# Altium PCB EPS_V2.PcbDoc (part 1 of 4)
Units mm, origin at the board's own origin, x right, y up, seen from the top; angles counter-clockwise.
Board outline 95.89 x 90.17 mm, 6 copper layers (Top Layer, GND1, PWR, Signal, GND2, Bottom Layer), stack 1.42 mm thick; 407 components, 277 nets, 1440 pads, 305 vias.
Unrouted connection lines stored in the file: 313.
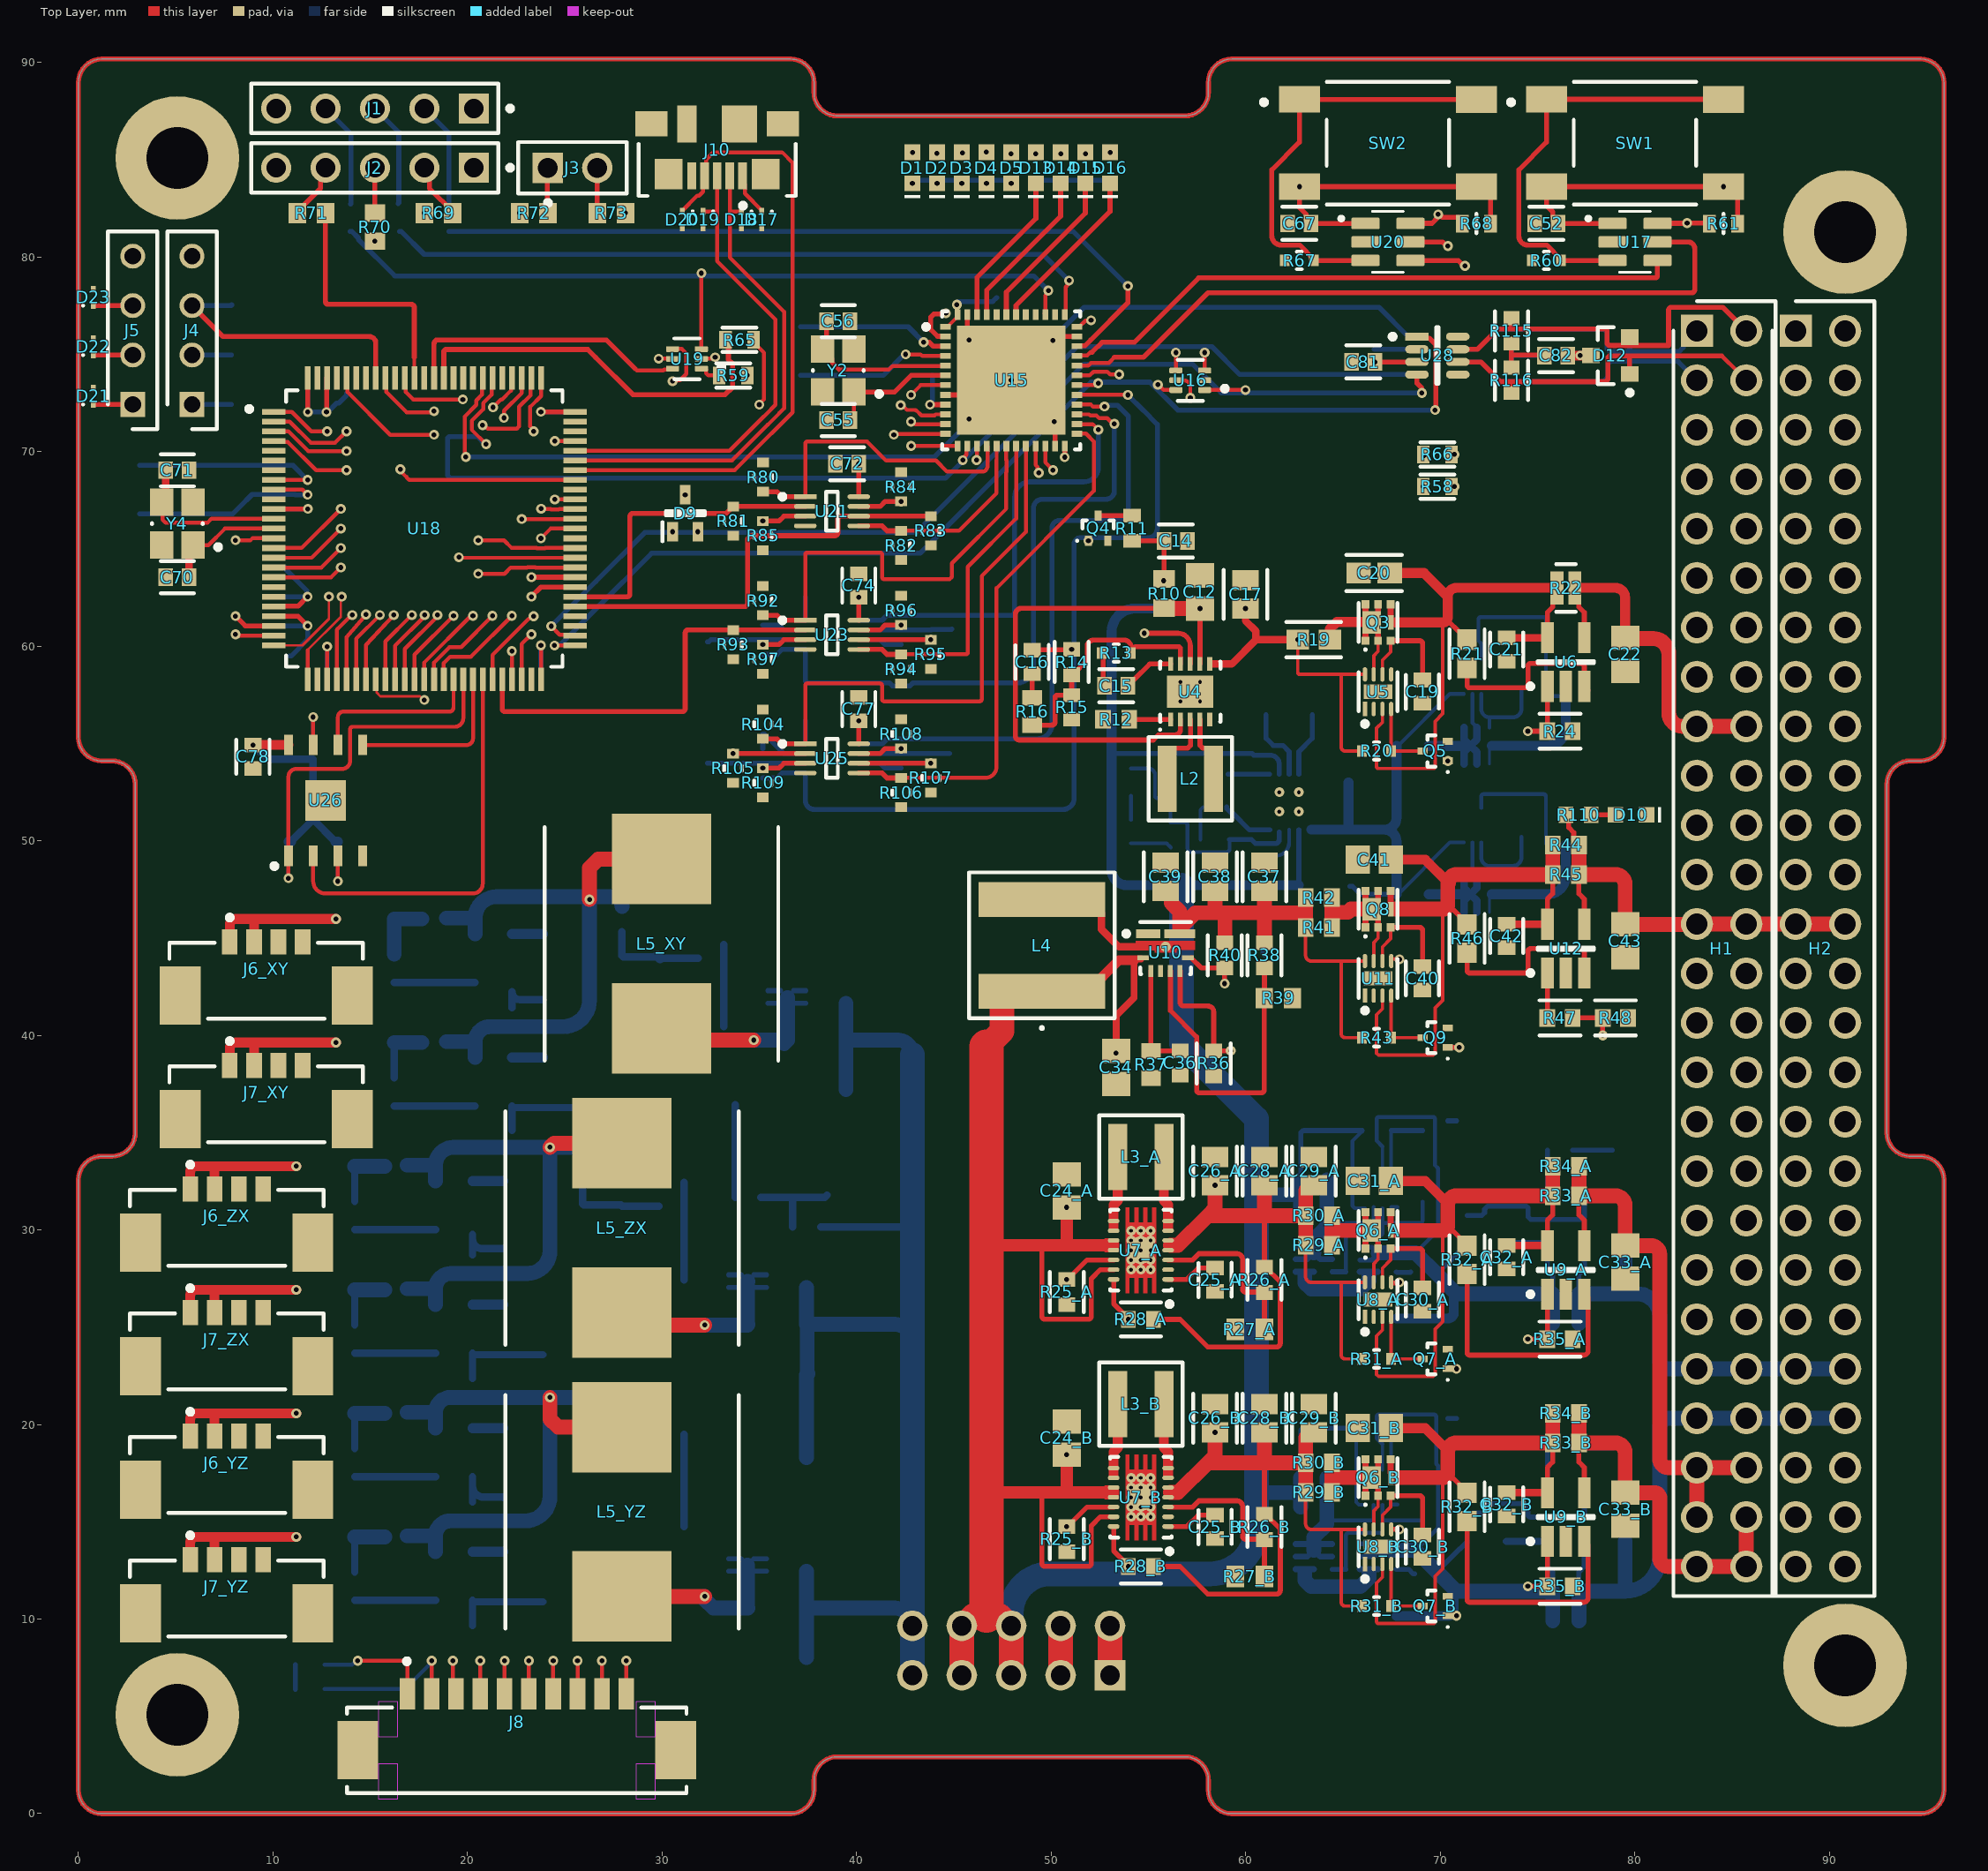
[diagram p0: Top Layer view]
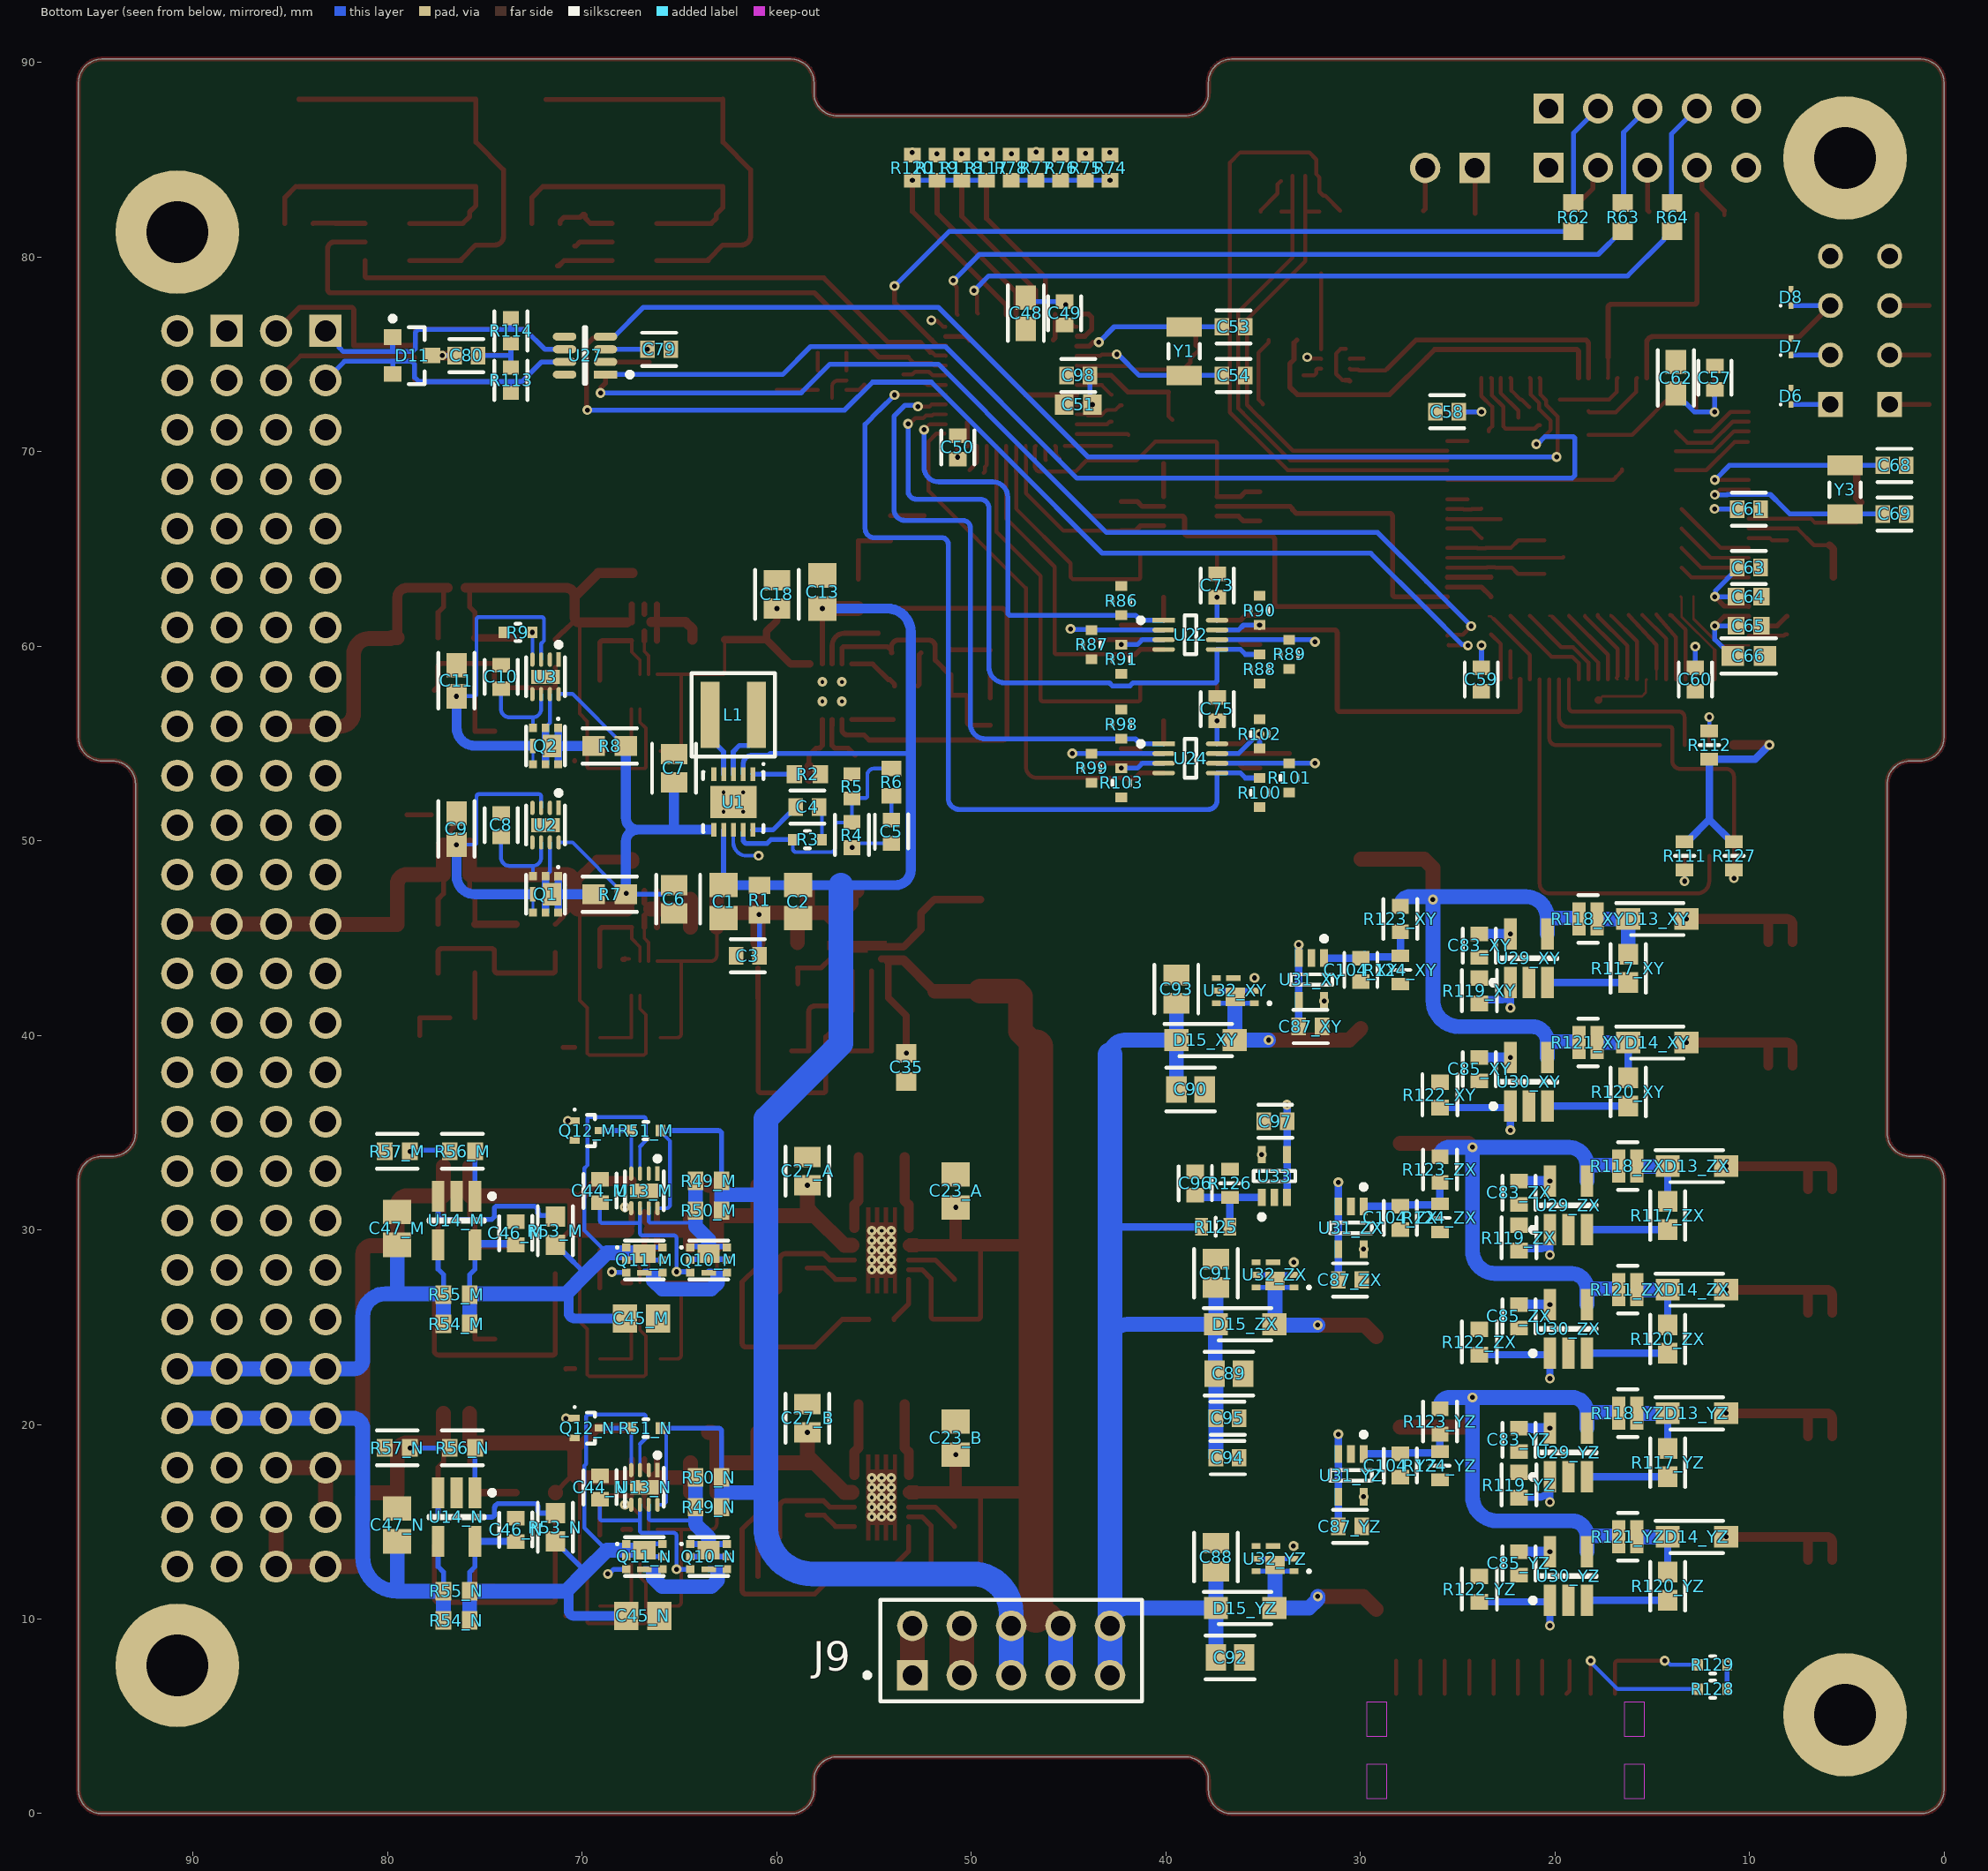
[diagram p1: Bottom Layer view, seen from below]
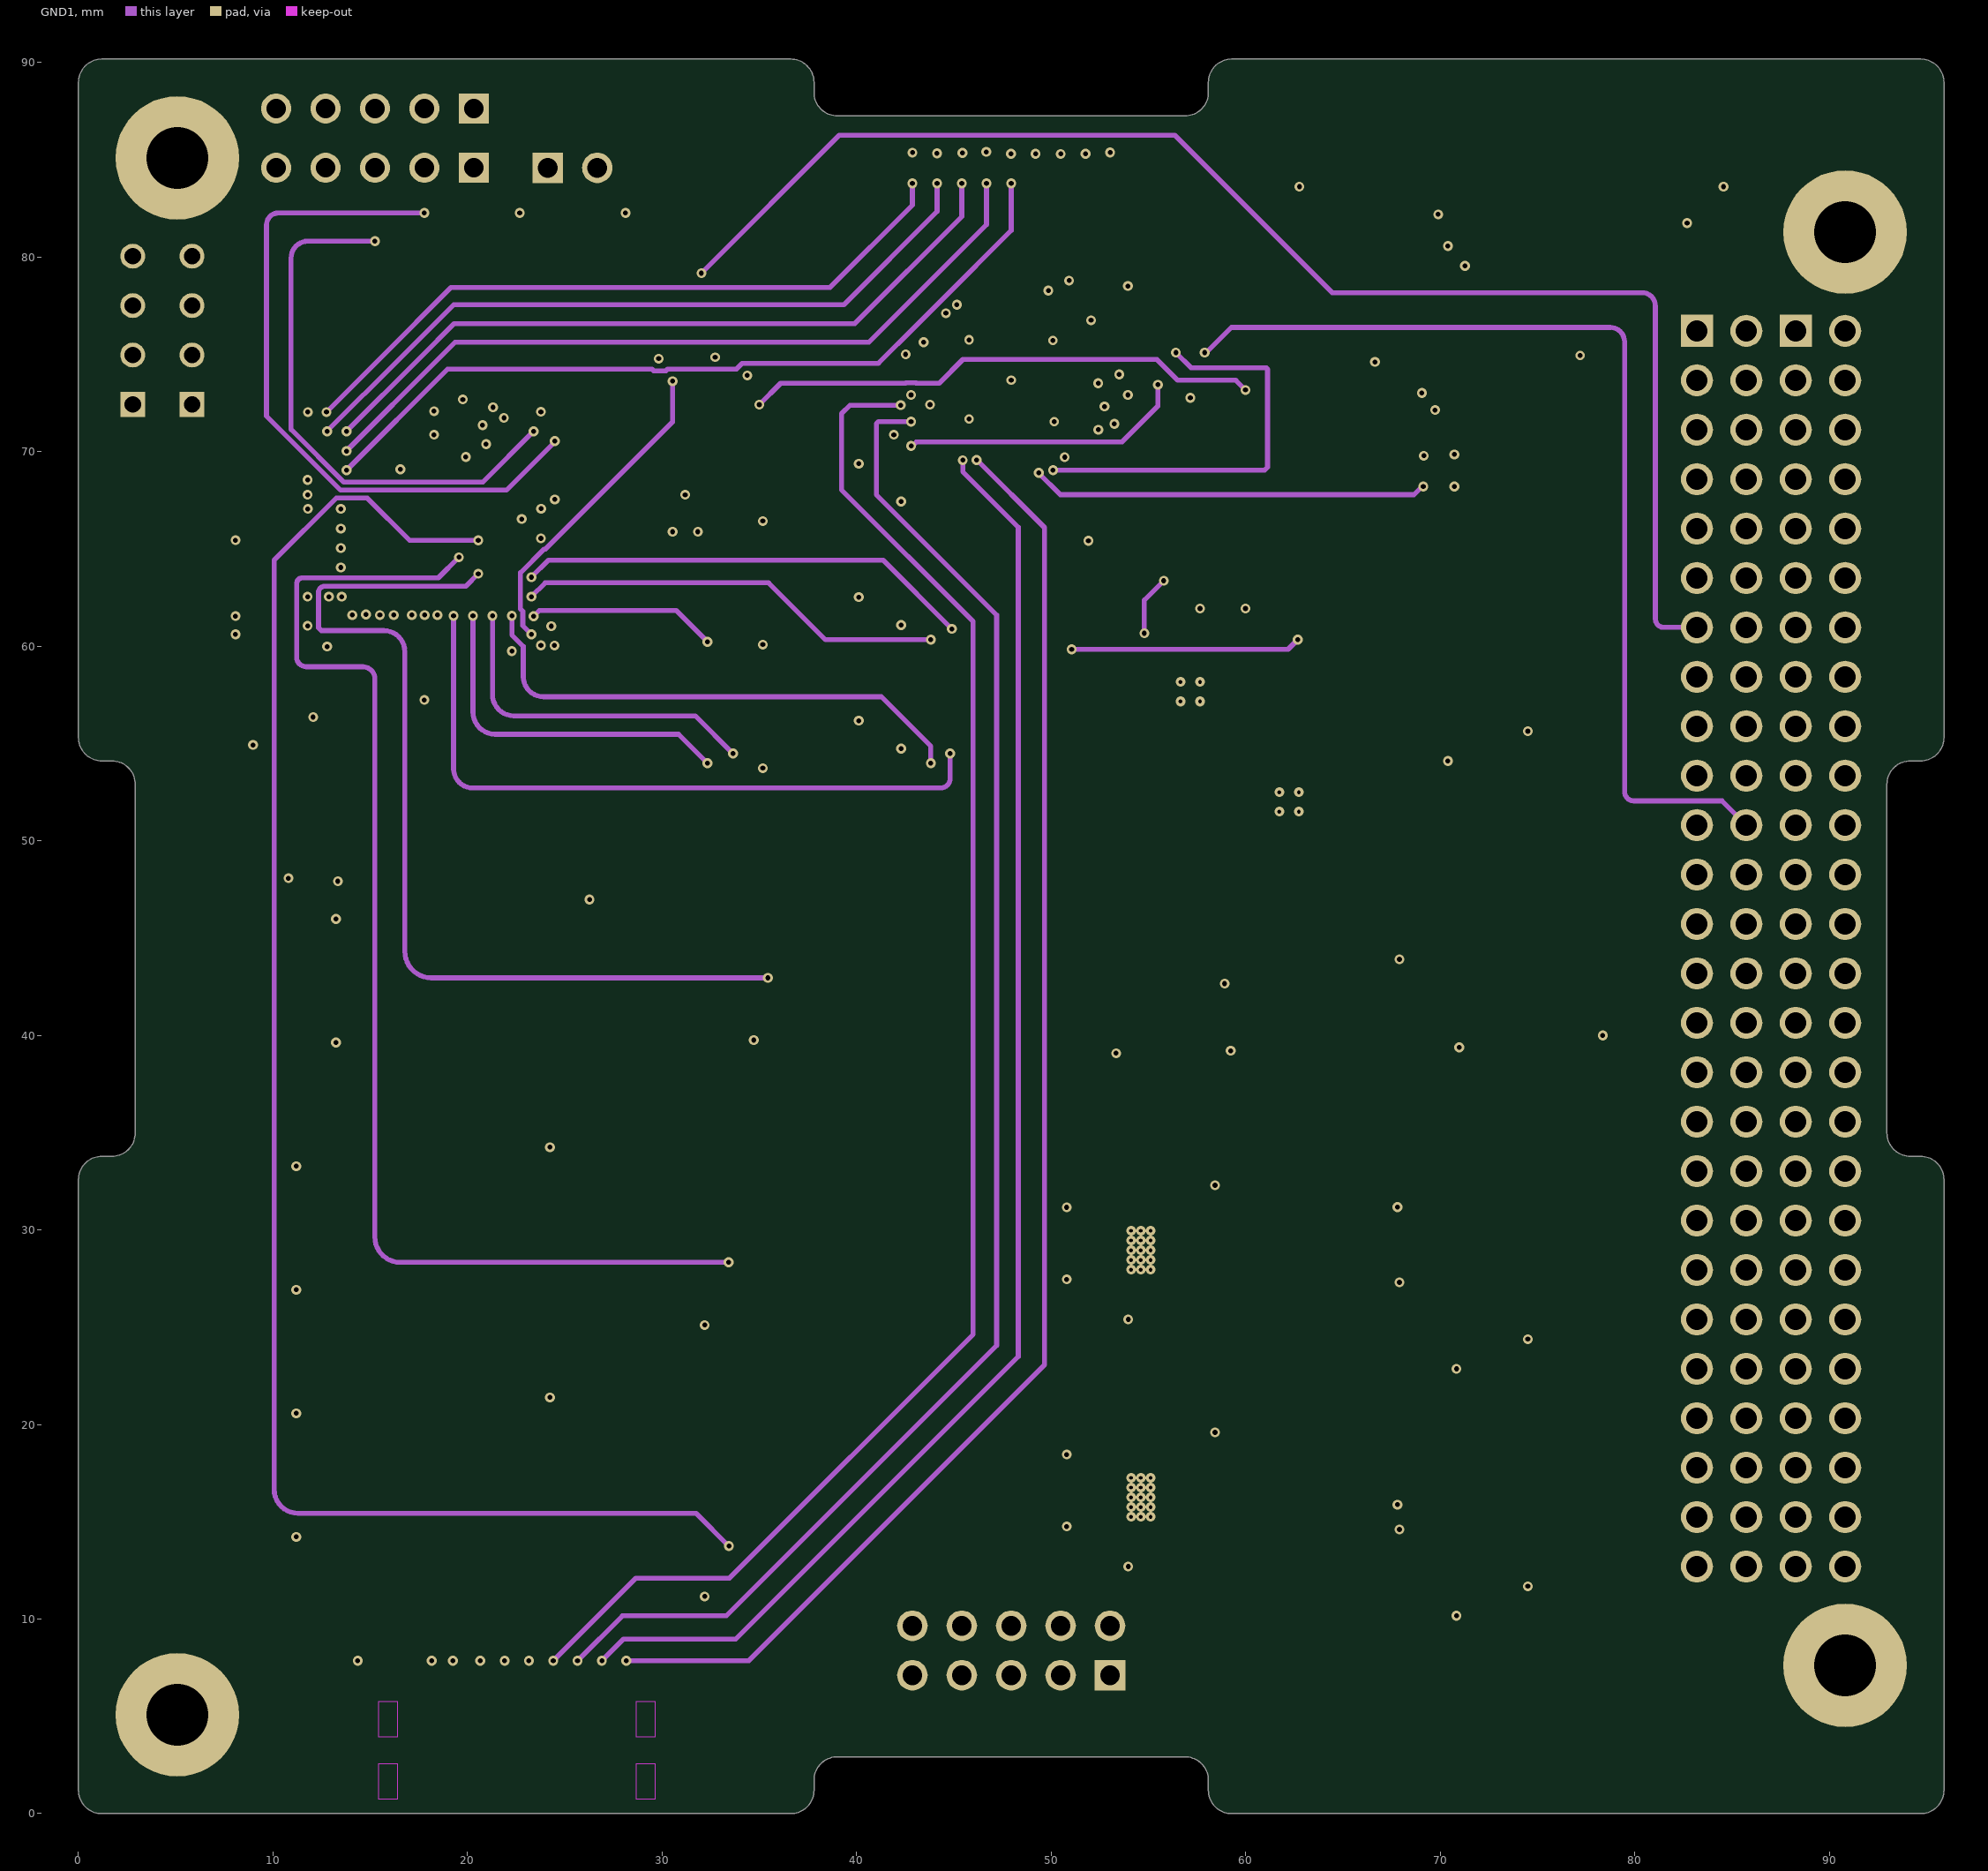
[diagram p2: GND1]
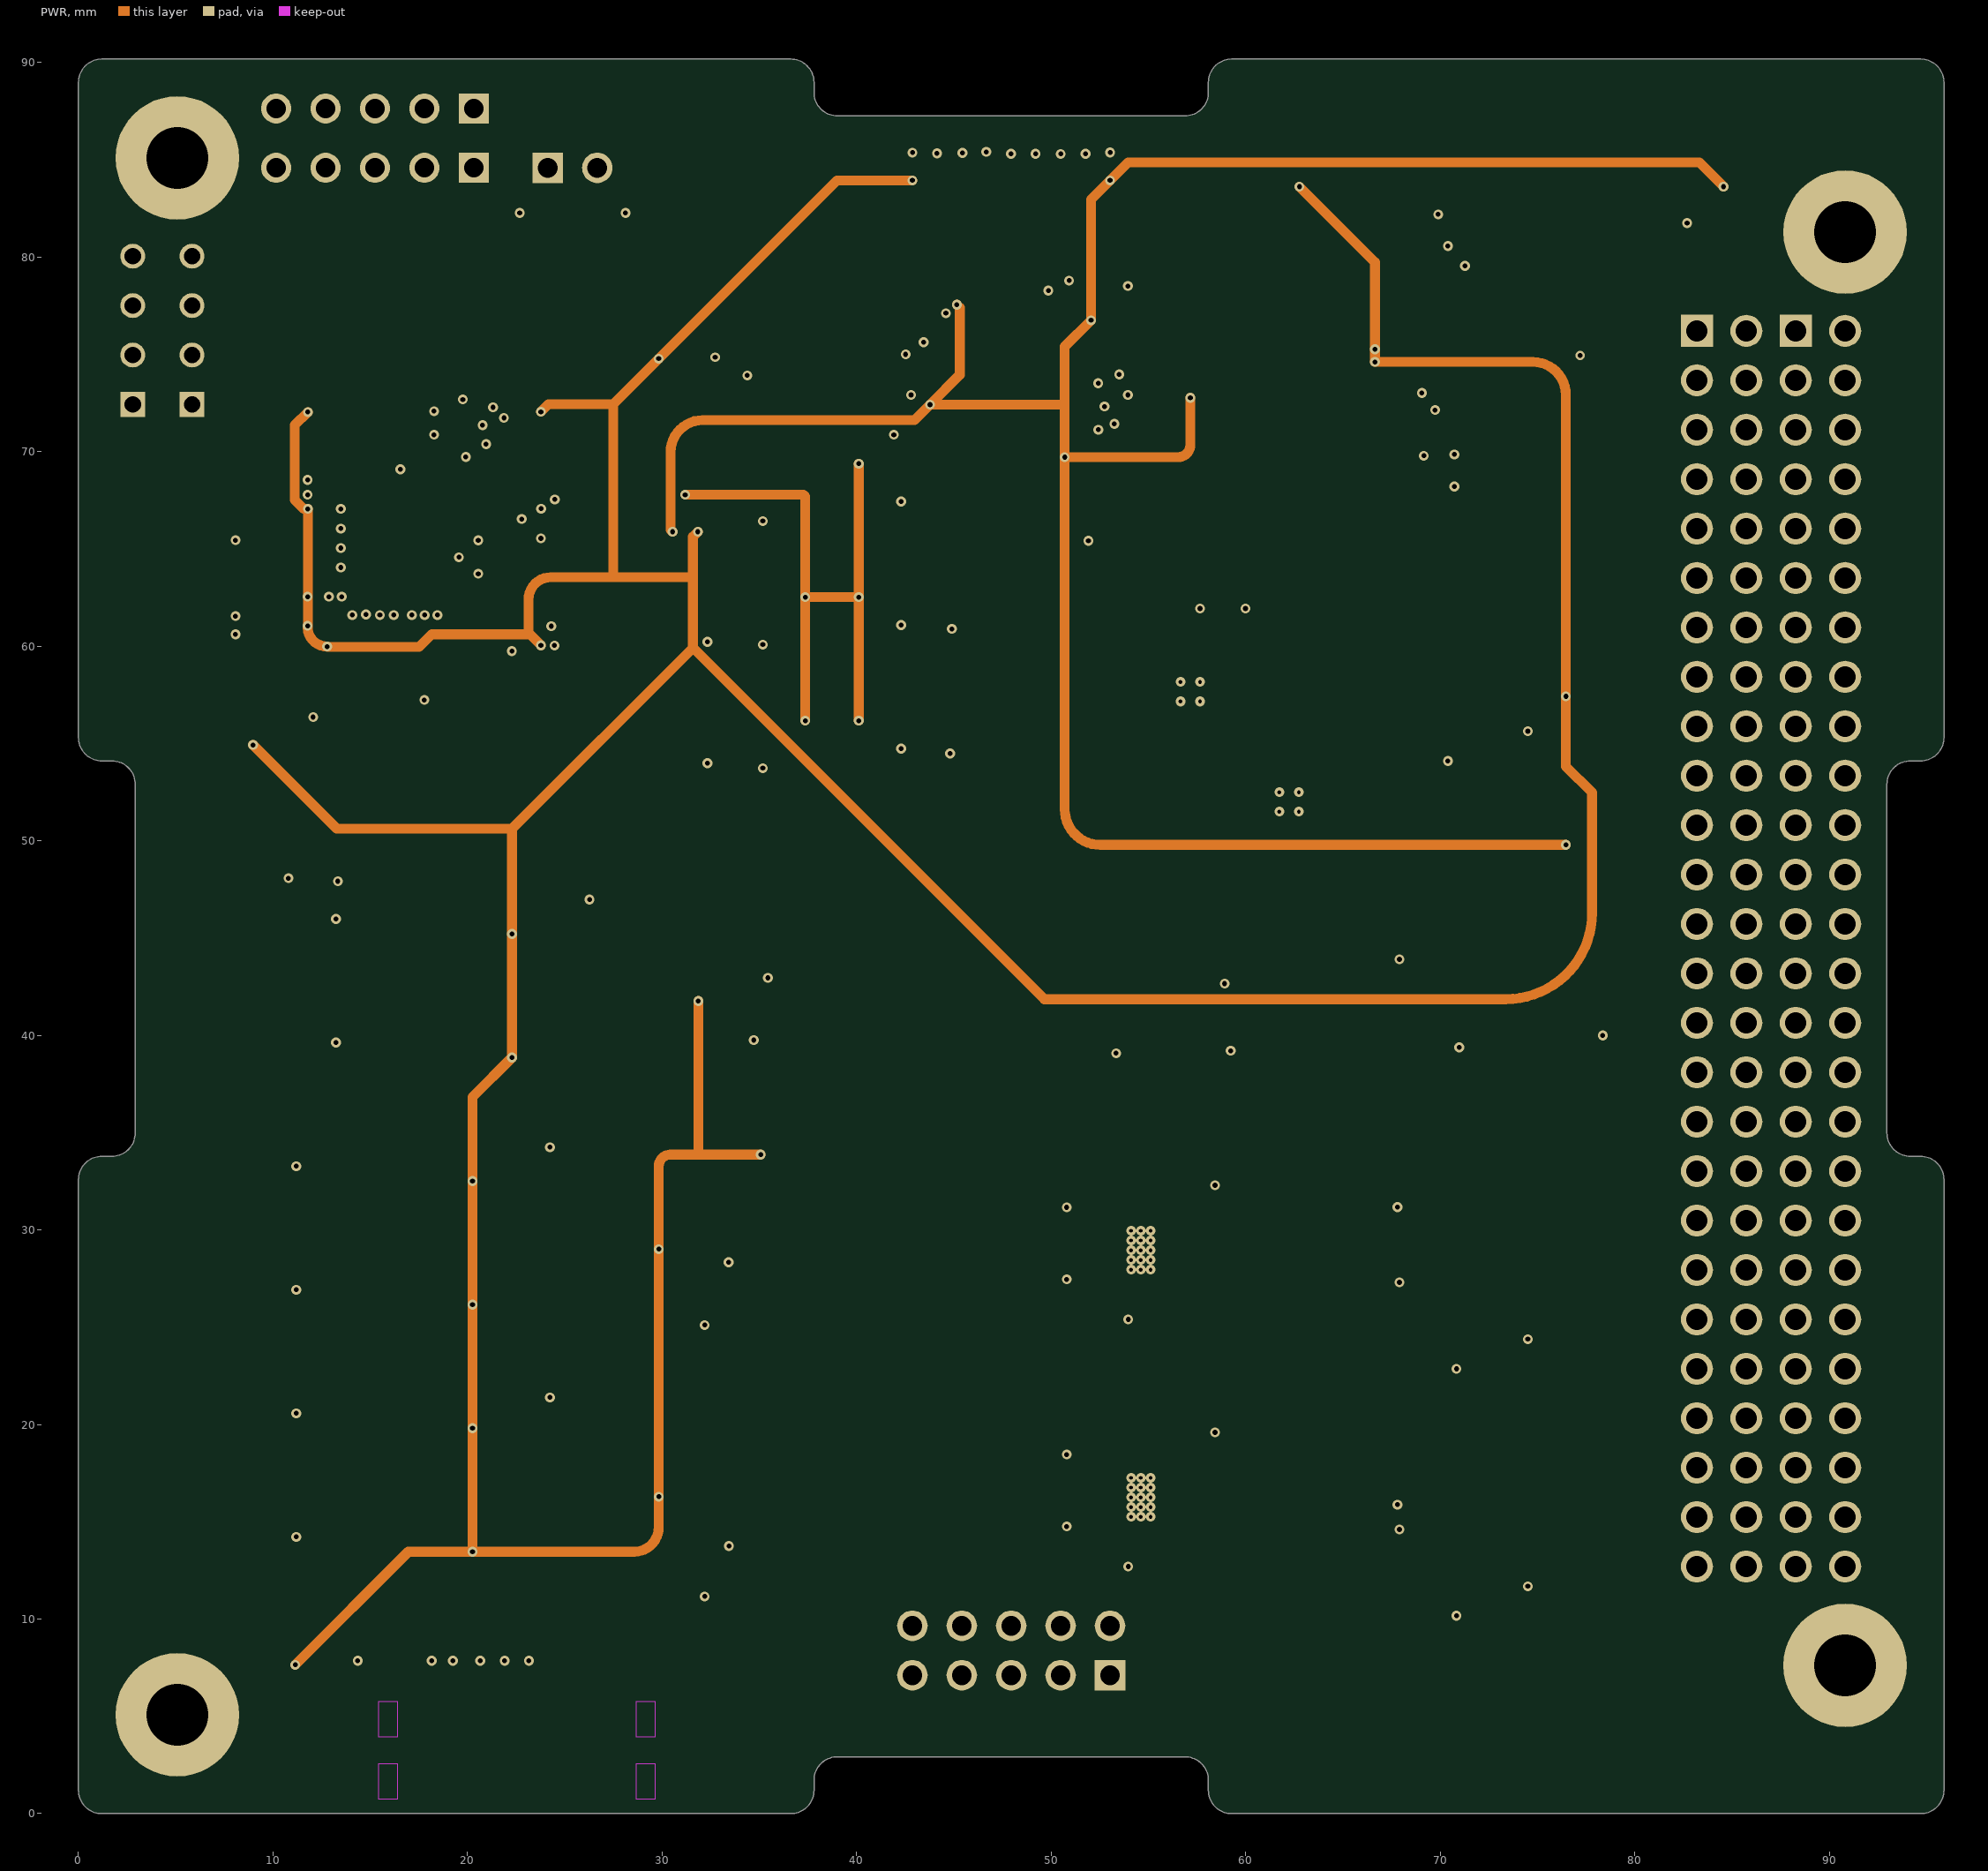
[diagram p3: PWR]